# Altium PCB Main Board_V15.PcbDoc (part 1 of 5)
Units mm, origin at the board's own origin, x right, y up, seen from the top; angles counter-clockwise.
Board outline 180 x 140 mm, 2 copper layers (Top Layer, Bottom Layer); 280 components, 221 nets, 891 pads, 235 vias.
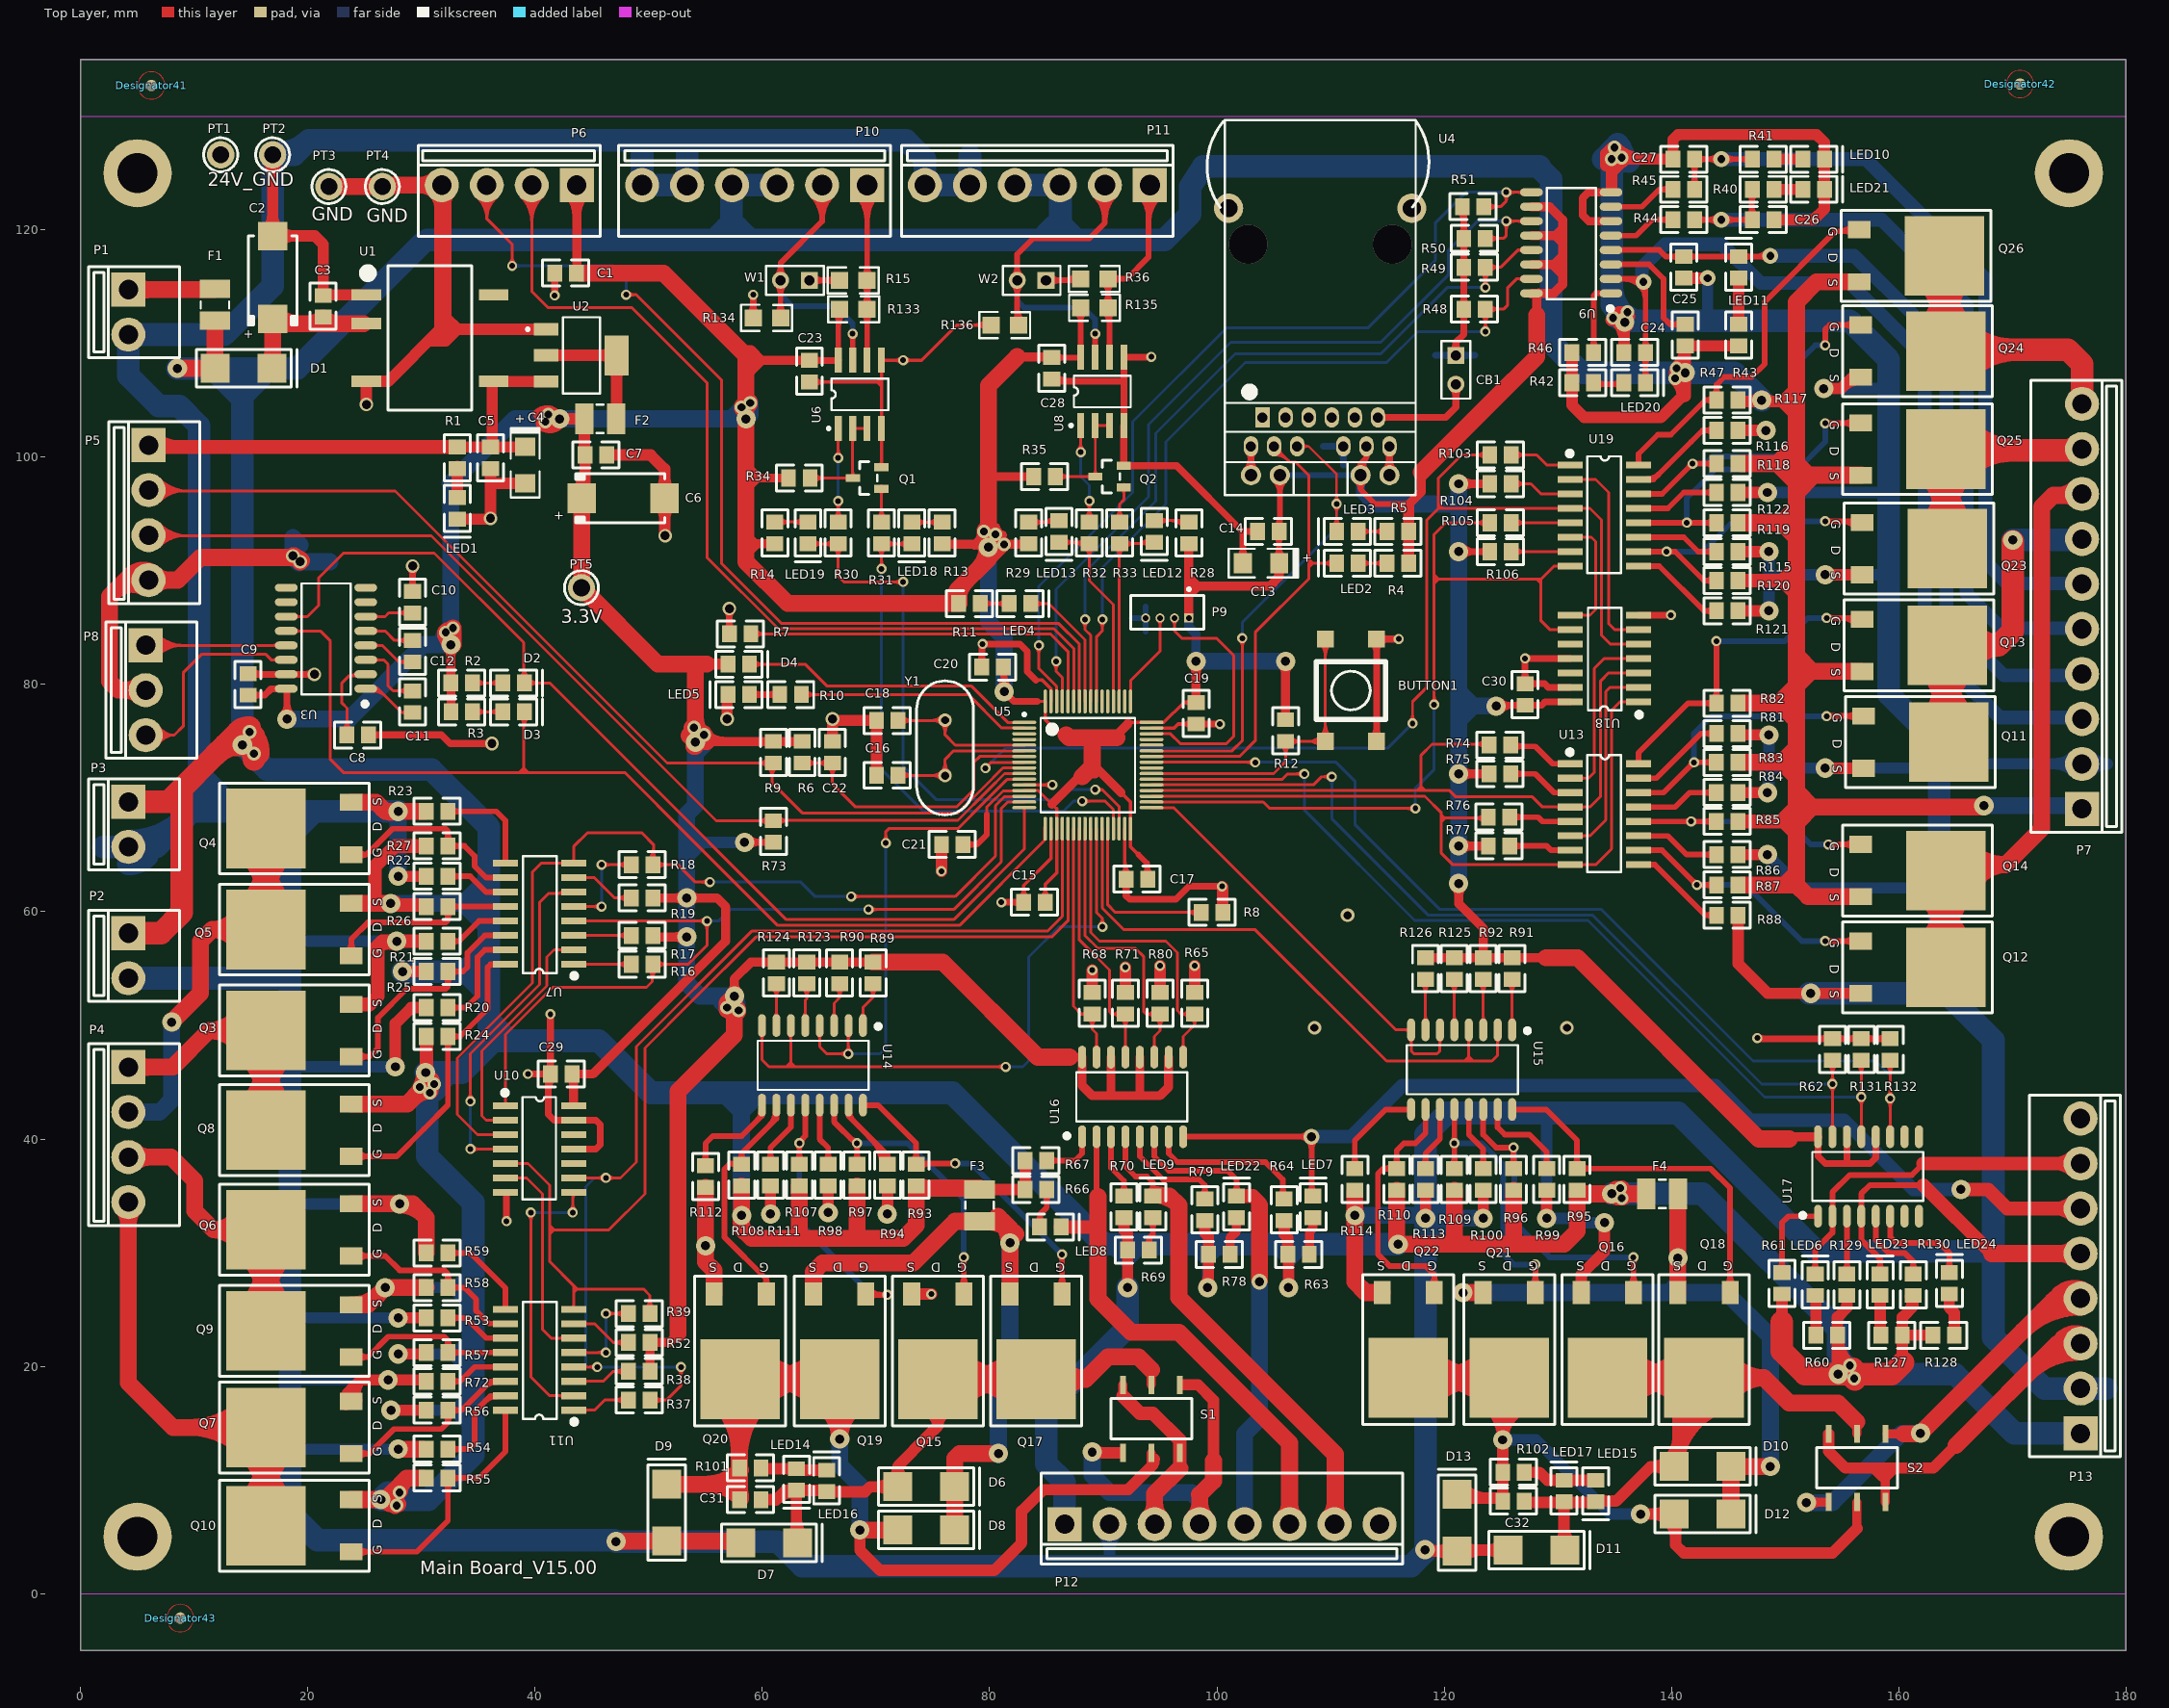
[diagram p0: Top Layer view]
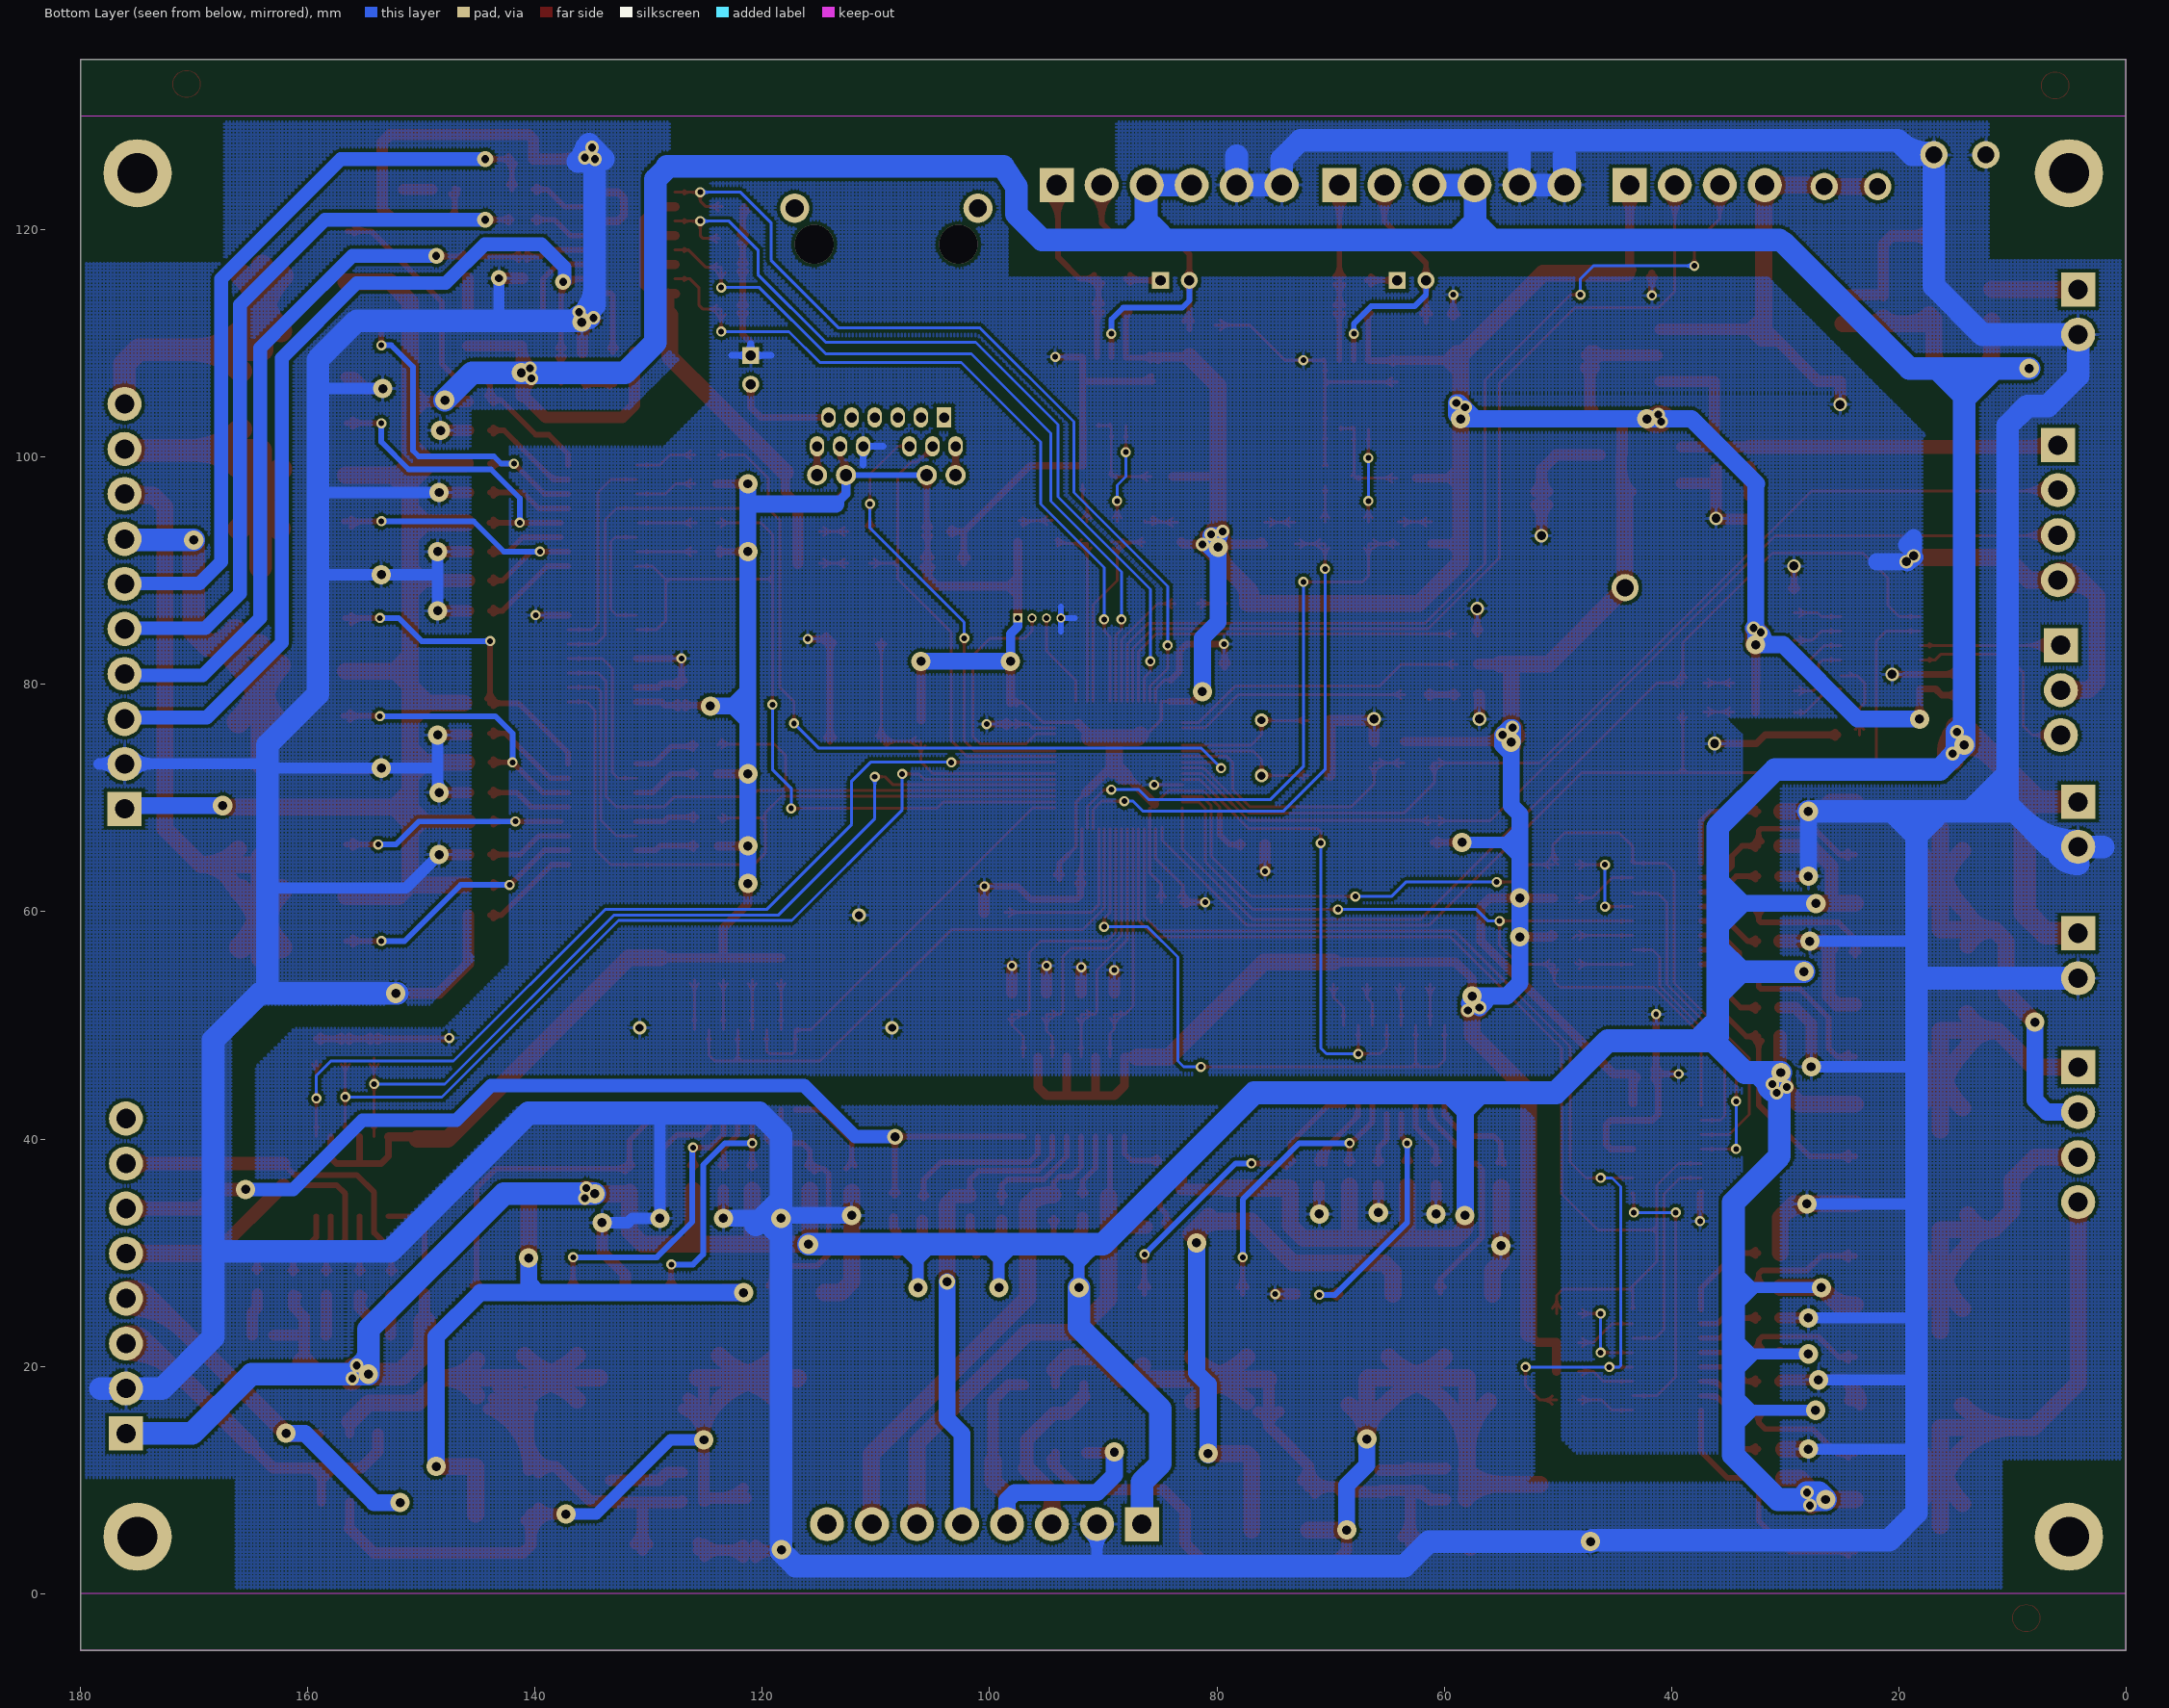
[diagram p1: Bottom Layer view, seen from below]

## Layer stack, top to bottom
Top Solder: solder mask 0.0102, Solder Resist, Dk 3.5
Top Layer: signal copper 0.0356
Dielectric1: dielectric 0.32, FR-4, Dk 4.8
Bottom Layer: signal copper 0.0356
Bottom Solder: solder mask 0.0102, Solder Resist, Dk 3.5

## Board outline
0,-5 0,135 180,135 180,-5

## Design rules (kind name [scope] priority, off if disabled: settings)
Clearance [All] p1: gap=0.3
PolygonConnect [All] p1: connectstyle=Relief reliefconductorwidth=0.254 reliefentries=4 polygonreliefangle="90 Angle" airgapwidth=0.254
RoutingVias [All] p1: holewidth=0.711 width=1.27 viastyle="Through Hole" minholewidth=0.711 minwidth=1.27 maxholewidth=0.711 maxwidth=1.27
SolderMaskExpansion [All] p1: expansion=0.102
Width [All] p1: maxlimit=2 minlimit=0.12 preferedwidth=0.254
29 further rules are at their usual default settings.

## Components (designator, comment, footprint, x,y, rotation, side; value= is the part's Value field where it differs from the comment)
BUTTON1 "SW4" BUTTON 111.76,79.502 r270 top
C1 "Cap" 0805#1 42.672,116.205 r0 top
C2 "Cap Pol3" "CAP D-7343" 16.891,115.824 r90 top
C3 "Cap" 0805#1 21.336,113.284 r90 top
C4 "Cap Pol3" "CAP A-3216" 39.116,99.314 r270 top
C5 "Cap" 0805#1 36.068,99.949 r90 top
C6 "Cap Pol3" "CAP D-7343" 47.752,96.393 r0 top
C7 "Cap" 0805#1 45.339,100.203 r180 top
C8 "Cap" 0805#1 24.384,75.565 r180 top
C9 "Cap" 0805#1 14.732,80.01 r270 top
C10 "Cap" 0805#1 29.21,87.249 r270 top
C11 "Cap" 0805#1 29.21,78.486 r90 top
C12 "Cap" 0805#1 29.21,82.931 r270 top
C13 "Cap Pol3" "CAP A-3216" 103.886,90.678 r180 top
C14 "Cap" 0805#1 104.521,93.472 r0 top
C15 "Cap" 0805#1 83.947,60.833 r0 top
C16 "" 0805#1 70.993,72.009 r0 top
C17 "Cap" 0805#1 92.964,62.865 r0 top
C18 "" 0805#1 70.993,76.835 r0 top
C19 "Cap" 0805#1 98.171,77.47 r90 top
C20 "Cap" 0805#1 80.264,81.534 r0 top
C21 "Cap" 0805#1 76.708,65.913 r0 top
C22 "Cap" 0805#1 66.167,74.041 r270 top
C23 "Cap" 0805#1 64.135,107.569 r270 top
C24 "Cap" 0805#1 136.779,109.22 r0 top
C25 "Cap" 0805#1 141.097,116.713 r90 top
C26 "Cap" 0805#1 148.082,120.904 r180 top
C27 "Cap" 0805#1 141.097,126.238 r0 top
C28 "Cap" 0805#1 85.471,107.823 r270 top
C29 "Cap" 0805#1 42.291,45.72 r0 top
C30 "Cap" 0805#1 127.127,79.121 r270 top
C31 "Cap" 0805#1 58.928,8.255 r0 top
C32 "Cap" 0805#1 126.111,8.128 r0 top
CB1 "Circuit Breaker" HDR1X2 121.031,108.966 r270 top
D1 "1N5819(SS14)" SMA 14.351,107.823 r0 top
D2 "RS232_TXD" LED-0805 38.1,80.137 r0 top
D3 "RS232_RXD" LED-0805 38.1,77.597 r0 top
D4 "Diode 1N4148" LED-0805 57.912,81.788 r0 top
D6 "SS54" SMA 74.422,9.398 r0 top
D7 "SS54" SMA 60.579,4.445 r0 top
D8 "SS54" SMA 74.422,5.588 r0 top
D9 "SS54" SMA 51.562,7.112 r90 top
D10 "SS54" SMA 142.748,11.176 r0 top
D11 "SS54" SMA 128.143,3.81 r0 top
D12 "SS54" SMA 142.748,6.985 r0 top
D13 "SS54" SMA 121.158,6.223 r90 top
Designator41 "Comment" Mark 6.223,132.715 r0 top
Designator42 "Comment" Mark 170.688,132.842 r0 top
Designator43 "Comment" Mark 8.763,-2.159 r0 top
F1 "Fuse 3A" 3225[1210] 11.811,113.411 r270 top
F2 "Fuse 1A" 3225[1210] 45.72,103.378 r180 top
F3 "Fuse 3A" 3225[1210] 79.121,34.163 r90 top
F4 "Fuse 3A" 3225[1210] 139.192,35.179 r180 top
LED1 "LED" LED-0805 33.147,95.504 r270 top
LED2 "TXD" LED-0805 111.492,90.678 r180 top
LED3 "RXD" LED-0805 111.492,93.472 r180 top
LED4 "TEST" LED-0805 82.677,87.122 r0 top
LED5 "WORKING" LED-0805 57.912,79.121 r180 top
LED6 "LED" LED-0805 152.654,27.178 r90 top
LED7 "LED" LED-0805 108.458,34.036 r90 top
LED8 "LED" LED-0805 85.344,32.258 r0 top
LED9 "LED" LED-0805 94.361,34.036 r90 top
LED10 "LED" LED-0805 152.527,126.238 r0 top
LED11 "LED" LED-0805 145.923,116.713 r90 top
LED12 "RS485_TXD" LED-0805 94.488,93.472 r270 top
LED13 "RS485_RXD" LED-0805 86.106,93.472 r270 top
LED14 "LED" LED-0805 62.992,10.033 r270 top
LED15 "LED" LED-0805 133.35,9.017 r270 top
LED16 "LED" LED-0805 65.659,9.906 r90 top
LED17 "LED" LED-0805 130.556,9.017 r90 top
LED18 "RS485_TXD" LED-0805 73.152,93.331 r270 top
LED19 "RS485_RXD" LED-0805 64.008,93.345 r270 top
LED20 "LED" LED-0805 136.779,106.553 r0 top
LED21 "LED" LED-0805 152.527,123.571 r0 top
LED22 "LED" LED-0805 101.727,34.036 r90 top
LED23 "LED" LED-0805 158.369,27.178 r90 top
LED24 "LED" LED-0805 164.465,27.305 r90 top
P1 "POWER" "VH3.96  2PIN" 4.191,112.776 r270 top
P2 "电动滚筒1驱动卡电源" "VH3.96  2PIN" 4.191,56.134 r270 top
P3 "电动滚筒2驱动卡电源" "VH3.96  2PIN" 4.191,67.691 r270 top
P4 "电动滚筒控制端口" "VH3.96  4PIN" 4.191,40.386 r270 top
P5 "接温湿度传感器" "VH3.96  4PIN" 5.969,95.123 r270 top
P6 "接温湿度传感器" "VH3.96  4PIN" 37.719,123.952 r180 top
P7 "信号输入输出端口" "VH3.96  10PIN" 176.149,86.868 r90 top
P8 "RS232" "VH3.96  3PIN" 5.715,79.502 r270 top
P9 "Header 4" PIN4-1.27 95.631,85.852 r180 top
P10 "接1柜组水平板端口" "VH3.96  6PIN" 59.309,123.952 r180 top
P11 "接2柜组水平板端口" "VH3.96  6PIN" 84.201,123.952 r180 top
P12 "Header 8" "VH3.96  8PIN" 100.457,6.096 r0 top
P13 "Header 8" "VH3.96  8PIN" 176.022,27.94 r90 top
PT1 "24V0" PLUG 12.319,126.619 r0 top
PT2 "24V0" PLUG 16.891,126.619 r0 top
PT3 "GND" PLUG 21.844,123.825 r0 top
PT4 "GND" PLUG 26.543,123.825 r0 top
PT5 "24V0" PLUG 44.069,88.519 r0 top (schematic designator PT1)
Q1 "S8050" SOT-23(SOT-23-3) 69.215,98.171 r0 top
Q2 "S8050" SOT-23(SOT-23-3) 90.551,98.298 r0 top
Q3 "FR4105 (NMOS-2)" TO-252 20.066,49.544 r90 top
Q4 "FR4105 (NMOS-2)" TO-252 20.066,67.324 r90 top
Q5 "PMOS-FR5305" TO-252 20.066,58.434 r90 top
Q6 "FR4105 (NMOS-2)" TO-252 20.066,32.004 r90 top
Q7 "FR4105 (NMOS-2)" TO-252 20.066,14.605 r90 top
Q8 "PMOS-FR5305" TO-252 20.066,40.781 r90 top
Q9 "PMOS-FR5305" TO-252 20.066,23.114 r90 top
Q10 "PMOS-FR5305" TO-252 20.066,5.969 r90 top
Q11 "FR4105 (NMOS-2)" TO-252 160.655,74.93 r270 top
Q12 "FR4105 (NMOS-2)" TO-252 160.401,55.118 r270 top
Q13 "PMOS-FR5305" TO-252 160.528,83.439 r270 top
Q14 "PMOS-FR5305" TO-252 160.401,63.627 r270 top
Q15 "FR4105 (NMOS-2)" TO-252 75.438,22.606 r180 top
Q16 "FR4105 (NMOS-2)" TO-252 134.366,22.733 r180 top
Q17 "FR5305 (PMOS-2)" TO-252 84.074,22.606 r180 top
Q18 "FR5305 (PMOS-2)" TO-252 142.875,22.733 r180 top
Q19 "FR5305 (PMOS-2)" TO-252 66.802,22.606 r180 top
Q20 "FR4105 (NMOS-2)" TO-252 58.039,22.606 r180 top
Q21 "FR5305 (PMOS-2)" TO-252 125.73,22.733 r180 top
Q22 "FR4105 (NMOS-2)" TO-252 116.84,22.733 r180 top
Q23 "FR4105 (NMOS-2)" TO-252 160.528,91.948 r270 top
Q24 "FR4105 (NMOS-2)" TO-252 160.401,109.347 r270 top
Q25 "PMOS-FR5305" TO-252 160.401,100.711 r270 top
Q26 "PMOS-FR5305" TO-252 160.274,117.729 r270 top
R1 "Res2" 0805#1 33.147,99.949 r270 top
R2 "Res2" 0805#1 33.528,80.137 r180 top
R3 "Res2" 0805#1 33.542,77.597 r180 top
R4 "Res2" 0805#1 115.937,90.678 r0 top
R5 "Res2" 0805#1 115.937,93.472 r0 top
R6 "Res2" 0805#1 63.5,74.041 r270 top
R7 "Res2" 0805#1 58.039,84.455 r0 top
R8 "Res2" 0805#1 99.568,59.944 r180 top
R9 "Res2" 0805#1 60.96,74.041 r270 top
R10 "Res2" 0805#1 62.484,79.121 r0 top
R11 "Res2" 0805#1 78.232,87.122 r0 top
R12 "Res2" 0805#1 106.045,75.946 r270 top
R13 "Res2" 0805#1 75.819,93.331 r270 top
R14 "Res2" 0805#1 61.087,93.345 r270 top
R15 "" 0805#2 66.802,115.57 r0 top (schematic designator R133)
R16 "Res2" 0805#1 49.403,55.372 r0 top
R17 "Res2" 0805#1 49.403,57.912 r180 top
R18 "Res2" 0805#1 49.403,64.135 r180 top
R19 "Res2" 0805#1 49.403,61.214 r180 top
R20 "Res2" 0805#1 31.369,51.562 r0 top
R21 "Res2" 0805#1 31.369,57.404 r180 top
R22 "Res2" 0805#1 31.369,63.119 r180 top
R23 "Res2" 0805#1 31.369,68.834 r180 top
R24 "Res2" 0805#1 31.369,49.022 r180 top
R25 "Res2" 0805#1 31.369,54.737 r180 top
R26 "Res2" 0805#1 31.369,60.452 r180 top
R27 "Res2" 0805#1 31.369,65.786 r180 top
R28 "Res2" 0805#1 97.536,93.331 r270 top
R29 "Res2" 0805#1 83.439,93.331 r270 top
R30 "Res2" 0805#1 66.675,93.331 r270 top
R31 "Res2" 0805#1 70.485,93.331 r270 top
R32 "Res2" 0805#1 88.773,93.345 r270 top
R33 "Res2" 0805#1 91.44,93.345 r270 top
R34 "Res2" 0805#1 63.246,98.171 r0 top
R35 "Res2" 0805#1 84.836,98.298 r0 top
R36 "" 0805#2 88.011,115.697 r0 top (schematic designator R135)
R37 "" 0805#1 49.149,17.018 r180 top
R38 "" 0805#1 49.149,19.558 r180 top
R39 "Res2" 0805#1 49.149,24.638 r0 top
R40 "Res2" 0805#1 148.082,123.571 r0 top
R41 "Res2" 0805#1 148.082,126.238 r0 top
R42 "Res2" 0805#1 132.207,106.553 r0 top
R43 "Res2" 0805#1 145.923,110.744 r90 top
R44 "Res2" 0805#1 141.097,120.904 r0 top
R45 "Res2" 0805#1 141.097,123.571 r0 top
R46 "Res2" 0805#1 132.207,109.22 r0 top
R47 "Res2" 0805#1 141.224,110.744 r90 top
R48 "Res2" 0805#1 122.682,113.03 r0 top
R49 "Res2" 0805#1 122.682,116.713 r0 top
R50 "Res2" 0805#1 122.682,119.253 r0 top
R51 "Res2" 0805#1 122.555,122.047 r0 top
R52 "Res2" 0805#1 49.149,22.098 r180 top
R53 "Res2" 0805#1 31.369,24.257 r0 top
R54 "" 0805#1 31.369,12.7 r0 top
R55 "" 0805#1 31.369,10.16 r180 top
R56 "" 0805#1 31.369,16.129 r180 top
R57 "Res2" 0805#1 31.369,21.209 r180 top
R58 "Res2" 0805#1 31.369,26.924 r180 top
R59 "Res2" 0805#1 31.369,29.972 r180 top
R60 "Res2" 0805#1 153.67,22.733 r180 top
R61 "Res2" 0805#1 149.733,27.305 r90 top
R62 "Res2" 0805#1 154.178,47.879 r270 top
R63 "Res2" 0805#1 107.188,29.845 r0 top
R64 "Res2" 0805#1 105.918,33.782 r90 top
R65 "Res2" 0805#1 98.044,51.943 r270 top
R66 "Res2" 0805#1 84.074,35.56 r0 top
R67 "Res2" 0805#1 84.074,38.1 r0 top
R68 "Res2" 0805#1 89.027,51.943 r270 top
R69 "Res2" 0805#1 93.091,30.226 r0 top
R70 "Res2" 0805#1 91.821,34.036 r90 top
R71 "Res2" 0805#1 91.948,51.943 r270 top
R72 "" 0805#1 31.369,18.669 r0 top
R73 "Res2" 0805#1 60.96,67.056 r90 top
R74 "Res2" 0805#1 124.902,74.676 r180 top
R75 "Res2" 0805#1 124.902,72.136 r0 top
R76 "Res2" 0805#1 124.841,68.326 r0 top
R77 "Res2" 0805#1 124.841,65.786 r0 top
R78 "Res2" 0805#1 100.203,29.845 r180 top
R79 "Res2" 0805#1 98.933,33.782 r90 top
R80 "Res2" 0805#1 94.996,51.943 r270 top
R81 "Res2" 0805#1 144.921,75.692 r180 top
R82 "Res2" 0805#1 144.921,78.359 r0 top
R83 "Res2" 0805#1 144.907,73.152 r0 top
R84 "Res2" 0805#1 144.907,70.485 r0 top
R85 "Res2" 0805#1 144.907,67.945 r0 top
R86 "Res2" 0805#1 144.921,65.024 r0 top
R87 "Res2" 0805#1 144.921,62.357 r0 top
R88 "Res2" 0805#1 144.921,59.69 r0 top
R89 "Res2" 0805#1 69.737,54.61 r270 top
R90 "Res2" 0805#1 66.802,54.61 r270 top
R91 "Res2" 0805#1 125.984,54.991 r270 top
R92 "Res2" 0805#1 123.444,54.991 r90 top
R93 "Res2" 0805#1 73.533,36.83 r270 top
R94 "Res2" 0805#1 71.007,36.83 r90 top
R95 "Res2" 0805#1 131.699,36.449 r270 top
R96 "Res2" 0805#1 126.111,36.449 r270 top
R97 "Res2" 0805#1 68.326,36.83 r270 top
R98 "Res2" 0805#1 65.786,36.83 r90 top
R99 "Res2" 0805#1 129.032,36.449 r90 top
R100 "Res2" 0805#1 123.444,36.449 r90 top
R101 "Res2" 0805#1 58.928,11.049 r0 top
R102 "Res2" 0805#1 126.111,10.668 r0 top
R103 "" 0805#1 124.968,100.203 r0 top
R104 "" 0805#1 124.968,97.663 r0 top
R105 "Res2" 0805#1 124.968,94.234 r180 top
R106 "Res2" 0805#1 124.968,91.694 r0 top
R107 "Res2" 0805#1 63.246,36.83 r270 top
R108 "Res2" 0805#1 58.166,36.83 r270 top
R109 "Res2" 0805#1 120.904,36.449 r270 top
R110 "Res2" 0805#1 115.824,36.449 r270 top
R111 "Res2" 0805#1 60.706,36.83 r90 top
R112 "Res2" 0805#1 54.991,36.703 r90 top
R113 "Res2" 0805#1 118.364,36.449 r90 top
R114 "Res2" 0805#1 112.141,36.449 r90 top
R115 "Res2" 0805#1 144.921,91.694 r180 top
R116 "" 0805#1 144.921,102.362 r180 top
R117 "" 0805#1 144.921,105.029 r0 top
R118 "" 0805#1 144.921,99.441 r0 top
R119 "Res2" 0805#1 144.921,94.234 r0 top
R120 "Res2" 0805#1 144.921,89.154 r0 top
R121 "Res2" 0805#1 144.921,86.487 r0 top
R122 "" 0805#1 144.921,96.901 r180 top
R123 "Res2" 0805#1 63.895,54.61 r90 top
R124 "Res2" 0805#1 61.228,54.61 r90 top
R125 "Res2" 0805#1 120.904,54.991 r270 top
R126 "Res2" 0805#1 118.364,54.991 r90 top
R127 "Res2" 0805#1 159.385,22.733 r0 top
R128 "Res2" 0805#1 163.957,22.733 r180 top
R129 "Res2" 0805#1 155.448,27.178 r90 top
R130 "Res2" 0805#1 161.29,27.178 r90 top
R131 "Res2" 0805#1 156.718,47.879 r270 top
R132 "Res2" 0805#1 159.258,47.879 r270 top
R133 "" 0805#2 69.215,113.016 r180 top
R134 "" 0805#2 59.182,112.268 r0 top
R135 "" 0805#2 90.424,113.157 r180 top
R136 "" 0805#2 80.137,111.633 r0 top
S1 "SW DPDT" SOP6_2.5 94.234,15.367 r0 top
S2 "SW DPDT" SOP6_2.5 156.337,11.049 r0 top
U1 "B2405XT-2WR2" B2405XT-2WR2 30.734,110.49 r270 top
U2 "AMS1117-3.3" SOT223 44.069,108.966 r270 top
U3 "MAX3232CSE" SOP16 21.59,84.074 r90 top
U4 "USR-K" USR-K 109.093,113.665 r90 top
U5 "STM32F103RCT6" LQFP64_M 88.646,72.912 r0 top locked
U6 "MAX3485" AT24C512 68.58,105.537 r90 top
U7 "TLP280" SO16 40.386,59.817 r180 top
U8 "MAX3485" AT24C512 89.916,105.791 r90 top
U9 "TLP280-4" SOP16 131.191,118.872 r90 top
U10 "74HC14D" SO14 40.386,39.116 r0 top
U11 "TLP280" SO16 40.386,20.574 r180 top
U13 "TLP280" SO16 134.112,68.58 r0 top
U14 "TLP280-4" SOP16 64.403,46.482 r180 top
U15 "TLP280-4" SOP16 121.539,46.101 r180 top
U16 "TLP280-4" SOP16 92.583,43.702 r0 top
U17 "TLP280-4" SOP16 157.353,36.703 r0 top
U18 "74HC14D" SO14 134.112,82.296 r180 top
U19 "TLP280" SO16 134.112,94.869 r0 top
W1 "Jumper" HDR1X2 64.135,115.57 r180 top
W2 "Jumper" HDR1X2 84.963,115.57 r180 top
Y1 "8M" XTAL 76.073,74.422 r270 top

## Footprints (in the part's own frame and the unit in brackets; to place one, negate y for a bottom-side part, rotate by r counter-clockwise, add the part's x,y. Pads: shape width x height; smd on the part's side, far side on the other; paste and mask are expansions set on the pad)
0805#1 [mm]
  rect 1.3x1.5 smd: 1(-0.95,0) 2(0.95,0)
  silkscreen extent -2.03,-1.14 2.03,1.14
0805#2 [mm]
  rect 1.524x1.5 smd: 1(0,0) 2(2.413,0)
  silkscreen extent -1.05,-1.16 3.43,1.15
3225[1210] [mm]
  rect 1.6x2.7 smd: 1(-1.4,0) 2(1.4,0)
  silkscreen extent -0.3,-1.25 0.3,1.25
AT24C512 [mm]
  rect 2.2x0.6 smd: 1(-3,1.905) 2(-3,0.635) 3(-3,-0.635) 4(-3,-1.905) 5(3,-1.905) 6(3,-0.635) 7(3,0.635) 8(3,1.905)
  silkscreen extent -3.12,-2.5 1.4,2.88
B2405XT-2WR2 [mm]
  rect 1x2.6 smd: 1(-3.81,-5.6) 2(-1.27,-5.6) 4(3.81,-5.6) 5(3.81,5.6) 8(-3.81,5.6)
  silkscreen extent -6.35,-5.74 6.35,3.68
BUTTON [mm]
  rect 1.5x1.5 smd: 1(4.5,-2.211) 2(-4.5,-2.211) 3(4.5,2.289) 4(-4.5,2.289)
  silkscreen extent -2.5,-3.01 2.58,3.09
"CAP A-3216" [mm]
  rect 1.6x1.8 smd: 1(-1.6,0) 2(1.6,0)
  silkscreen extent -3.25,-1.27 2.85,1.27
"CAP D-7343" [mm]
  rect 2.5x2.6 smd: 1(-3.65,0) 2(3.65,0)
  silkscreen extent -4.19,-2.15 3.65,2.15
HDR1X2 [mm] "Connector; Header; 2 Position"
  rect 1.5x1.5 hole 0.9: 1(0,0)
  round 1.5 hole 0.9: 2(2.54,0)
  silkscreen extent -1.27,-1.27 3.81,1.27
LED-0805 [mm]
  rect 1.3x1.5 smd: 1(-0.95,0) 2(0.95,0)
  silkscreen extent -2.03,-1.14 2.54,1.14
LQFP64_M [mm]
  oval 2.1x0.3 smd: 1(-5.6,3.75) 2(-5.6,3.25) 3(-5.6,2.75) 4(-5.6,2.25) 5(-5.6,1.75) 6(-5.6,1.25) 7(-5.6,0.75) 8(-5.6,0.25) 9(-5.6,-0.25) 10(-5.6,-0.75) 11(-5.6,-1.25) 12(-5.6,-1.75) 13(-5.6,-2.25) 14(-5.6,-2.75) 15(-5.6,-3.25) 16(-5.6,-3.75) 33(5.6,-3.75) 34(5.6,-3.25) 35(5.6,-2.75) 36(5.6,-2.25) 37(5.6,-1.75) 38(5.6,-1.25) 39(5.6,-0.75) 40(5.6,-0.25) 41(5.6,0.25) 42(5.6,0.75) 43(5.6,1.25) 44(5.6,1.75) 45(5.6,2.25) 46(5.6,2.75) 47(5.6,3.25) 48(5.6,3.75)
  oval 0.3x2.1 smd: 17(-3.75,-5.6) 18(-3.25,-5.6) 19(-2.75,-5.6) 20(-2.25,-5.6) 21(-1.75,-5.6) 22(-1.25,-5.6) 23(-0.75,-5.6) 24(-0.25,-5.6) 25(0.25,-5.6) 26(0.75,-5.6) 27(1.25,-5.6) 28(1.75,-5.6) 29(2.25,-5.6) 30(2.75,-5.6) 31(3.25,-5.6) 32(3.75,-5.6) 49(3.75,5.6) 50(3.25,5.6) 51(2.75,5.6) 52(2.25,5.6) 53(1.75,5.6) 54(1.25,5.6) 55(0.75,5.6) 56(0.25,5.6) 57(-0.25,5.6) 58(-0.75,5.6) 59(-1.25,5.6) 60(-1.75,5.6) 61(-2.25,5.6) 62(-2.75,5.6) 63(-3.25,5.6) 64(-3.75,5.6)
  silkscreen extent -5.72,-4.15 4.15,4.57, body extent -5,-5 5,5, height 1.6
Mark [mm]
  round 2 on Top Solder: 0(0,0)
  round 1 smd: 1(0,0)
  Top Layer circle w0.1: c0,0 r1.2
PIN4-1.27 [mm]
  rect 0.8x0.8 hole 0.5: 1(-1.905,0)
  round 0.8 hole 0.5: 2(-0.635,0) 3(0.635,0) 4(1.905,0)
  silkscreen extent -3.23,-2.66 3.23,1
PLUG [mm]
  round 2.4 hole 1.5: 1(0,0)
  silkscreen extent -1.5,-1.5 1.5,1.5
SMA [mm] "wide = 5.0mm"
  rect 2.54x2.54 smd: 1(-2.5,0) 2(2.5,0)
  silkscreen extent -4.19,-1.65 4.7,1.65
SO14 [mm] "Wide = 6mm"
  rect 2.2x0.6 smd: 1(-3,3.81) 2(-3,2.54) 3(-3,1.27) 4(-3,0) 5(-3,-1.27) 6(-3,-2.54) 7(-3,-3.81) 8(3,-3.81) 9(3,-2.54) 10(3,-1.27) 11(3,0) 12(3,1.27) 13(3,2.54) 14(3,3.81)
  silkscreen extent -3.23,-4.44 1.45,5.13
SO16 [mm] "Wide = 6mm"
  rect 2.2x0.6 smd: 1(-3,4.445) 2(-3,3.175) 3(-3,1.905) 4(-3,0.635) 5(-3,-0.635) 6(-3,-1.905) 7(-3,-3.175) 8(-3,-4.445) 9(3,-4.445) 10(3,-3.175) 11(3,-1.905) 12(3,-0.635) 13(3,0.635) 14(3,1.905) 15(3,3.175) 16(3,4.445)
  silkscreen extent -3.23,-5.08 1.45,5.64
SOP6_2.5 [mm]
  rect 0.5x1.6 smd: 1(-2.5,3) 2(0,3) 3(2.5,3) 4(-2.5,-3) 5(0,-3) 6(2.5,-3)
  silkscreen extent -3.56,-1.78 3.56,1.78
SOP16 [mm] "wide = 7mm"
  oval 0.7x2 smd: 1(-4.445,-3.5) 2(-3.175,-3.5) 3(-1.905,-3.5) 4(-0.635,-3.5) 5(0.635,-3.5) 6(1.905,-3.5) 7(3.175,-3.5) 8(4.445,-3.5) 9(4.445,3.5) 10(3.175,3.5) 11(1.905,3.5) 12(0.635,3.5) 13(-0.635,3.5) 14(-1.905,3.5) 15(-3.175,3.5) 16(-4.445,3.5)
  silkscreen extent -5.99,-3.63 4.82,2.16
SOT223 [mm]
  rect 1.1x2.15 smd: 1(-2.3,-3.1) 2(0,-3.1) 3(2.3,-3.1)
  rect 3.5x2.15 smd: 4(0,3.1)
  silkscreen extent -3.35,-4.85 3.35,1.63
SOT-23(SOT-23-3) [mm]
  rect 1.25x0.7 smd: 1(1.25,-0.95) 2(1.25,0.95) 3(-1.25,0)
  silkscreen extent -0.65,-1.46 0.9,1.46, body extent -1.5,-1.5 1.5,1.5, height 1.3
TO-252 [mm] "P-Channel Power MOSFET"
  rect 1.5x2 smd: 1(-2.3,-3.75) 3(2.3,-3.75)
  rect 7x7 smd: 2(0,3.75)
  silkscreen extent -4,-5.32 4,7.87
USR-K [mil]
  rect 70x50 hole 35 mask+2: 1(-400,200)
  oval 70x50 hole 35 mask+2: 2(-400,120) 3(-400,40) 4(-400,-40) 5(-400,-120) 6(-400,-200) 7(-500,240) 8(-500,160) 9(-500,80) 10(-500,-80) 11(-500,-160) 12(-500,-240)
  round 70 hole 43 mask+2: 13(-600,240) 14(-600,140) 15(-600,-140) 16(-600,-240)
  round 101.18 hole 61.81 mask+2: 17(325,-317.5) 17(325,317.5)
  silkscreen extent -670,-377 630,392
"VH3.96  2PIN" [mm]
  rect 3x3 hole 1.7: 1(-1.98,0)
  round 3 hole 1.7: 2(1.98,0)
  silkscreen extent -4,-3.5 4,4.5
"VH3.96  3PIN" [mm]
  rect 3x3 hole 1.7: 1(-3.96,0)
  round 3 hole 1.7: 2(0,0) 3(3.96,0)
  silkscreen extent -6.02,-3.5 5.97,4.5
"VH3.96  4PIN" [mm]
  rect 3x3 hole 1.7: 1(-5.94,0)
  round 3 hole 1.7: 2(-1.98,0) 3(1.98,0) 4(5.94,0)
  silkscreen extent -8,-3.5 8,4.5
"VH3.96  6PIN" [mm]
  rect 3x3 hole 1.8: 1(-9.9,0)
  round 3 hole 1.8: 2(-5.94,0) 3(-1.98,0) 4(1.98,0) 5(5.94,0) 6(9.9,0)
  silkscreen extent -11.96,-3.5 11.96,4.5
"VH3.96  8PIN" [mm]
  rect 3x3 hole 1.7: 1(-13.86,0)
  round 3 hole 1.7: 2(-9.9,0) 3(-5.94,0) 4(-1.98,0) 5(1.98,0) 6(5.94,0) 7(9.9,0) 8(13.86,0)
  silkscreen extent -15.92,-3.5 15.9,4.5
"VH3.96  10PIN" [mm]
  rect 3x3 hole 1.7: 1(-17.82,0)
  round 3 hole 1.7: 2(-13.86,0) 3(-9.9,0) 4(-5.94,0) 5(-1.98,0) 6(1.98,0) 7(5.94,0) 8(9.9,0) 9(13.86,0) 10(17.82,0)
  silkscreen extent -19.88,-3.5 19.92,4.5
XTAL [mm]
  round 1.2 hole 0.711: 1(-2.44,0) 2(2.44,0)
  silkscreen extent -5.9,-2.5 5.9,2.5

## Part data
C1 C3 C5 C7 C8 C9 C10 C11 C12 C14 C15 C17 C19 C20 C21 C22 C23 C24 C25 C26 C27 C28 C29 C30 C31 C32: "Capacitor"
C2 C4 C6 C13: "Polarized Capacitor (Surface Mount)"
C16 C18: library part Cap, "Capacitor"
D1 D6 D7 D8 D9 D10 D11 D12 D13: library part "Diode 1N4148", "High Conductance Fast Diode"
D2 D3 LED2 LED3 LED4 LED6 LED7 LED8 LED9 LED10 LED11 LED12 LED13 LED14 LED15 LED16 LED17 LED18 LED19 LED20 LED21 LED22 LED23 LED24: library part LED2, "Typical RED, GREEN, YELLOW, AMBER GaAs LED"
D4: "High Conductance Fast Diode"
F1 F2 F3 F4: library part "Fuse 1", "Fuse"
LED5: library part LED
P1 P2 P3: library part "Header 2", "Header, 2-Pin"
P4 P5 P6: library part "Header 4", "Header, 4-Pin"
P7: library part "Header 10", "Header, 10-Pin"
P8: library part "Header 3", "Header, 3-Pin"
P9: "Header, 4-Pin"
P10 P11: library part "Header 6", "Header, 6-Pin"
P12 P13: "Header, 8-Pin"
PT1 PT2 PT3 PT4 PT5: library part Plug, "Plug"
Q1 Q2: library part "SOT-23 SS8050 Y1", "三极管"
Q3 Q4 Q6 Q7 Q11 Q12 Q15 Q16 Q20 Q22 Q23 Q24: library part NMOS-2, "N-Channel Power MOSFET"
Q5 Q8 Q9 Q10 Q13 Q14 Q17 Q18 Q19 Q21 Q25 Q26: library part PMOS-2, "P-Channel Power MOSFET"
R1 R2 R3 R4 R5 R6 R7 R8 R9 R10 R11 R12 R13 R14 R16 R17 R18 R19 R20 R21 R22 R23 R24 R25 R26 R27 R28 R29 R30 R31 R32 R33 R34 R35 R39 R40 R41 R42 R43 R44 R45 R46 R47 R48 R49 R50 R51 R52 R53 R57 R58 R59 R60 R61 R62 R63 R64 R65 R66 R67 R68 R69 R70 R71 R73 R74 R75 R76 R77 R78 R79 R80 R81 R82 R83 R84 R85 R86 R87 R88 R89 R90 R91 R92 R93 R94 R95 R96 R97 R98 R99 R100 R101 R102 R105 R106 R107 R108 R109 R110 R111 R112 R113 R114 R115 R119 R120 R121 R123 R124 R125 R126 R127 R128 R129 R130 R131 R132: "Resistor"
R15 R36 R37 R38 R54 R55 R56 R72 R103 R104 R116 R117 R118 R122 R133 R134 R135 R136: library part Res2, "Resistor"
S1 S2: "Switch"
U2: library part AMS1117-5
U3: "3.0V TO 5.5V, Low-Power, up to 1Mbps, True RS-232 Transceiver Using Four 0.1礔 External Capacitor"
U6 U8: library part MAX485CSA, "Low-Power, Slew-Rate-Limited RS-485/RS-422 Transceiver"
U7 U9 U11 U13 U14 U15 U16 U17 U19: library part TLP521-4
U10 U18: library part SN74HC14D, "Hex Schmitt-Trigger Inverter"
W1 W2: "Jumper Wire"
Y1: library part XTAL_1

## Free pads (board coordinates)
  round 6 hole 3.5: 1(5,5) 1(5,125) 1(175,5) 1(175,125)

## Via types
v1: diameter 0.889, hole 0.508, Top Layer to Bottom Layer, 97 vias
v2: diameter 1.7, hole 0.8, Top Layer to Bottom Layer, 84 vias
v3: diameter 1.2, hole 0.7, Top Layer to Bottom Layer, 34 vias
v4: diameter 1.2, hole 0.8, Top Layer to Bottom Layer, 11 vias
v5: diameter 1.4, hole 0.7, Top Layer to Bottom Layer, 5 vias
v6: diameter 1.4, hole 0.8, Top Layer to Bottom Layer, 2 vias
v7: diameter 3.4, hole 3.4, Top Layer to Bottom Layer, 2 vias

## Nets (pads, with @x,y where several pads share a name; then routed paths per layer and width w, separated by ;. In a path a pad name is that pad's centre, name@x,y a point inside that pad or via, vN(x,y) a via of type N, cw(c..) or ccw(c..) an arc to the next point about the centre after c; other vN are vias at no path point)
24V0: C2.2 C3.2 C24.1 C25.1 C26.1 C27.1 D7.1 D9.1 D11.1 D13.1 LED10.2 LED21.2 P1.2 P2.2 P3.2 P7.2 P10.5 P10.6 P11.5 P11.6 P12.2 P13.2 PT1.1 PT2.1 Q3.3 Q4.3 Q6.3 Q7.3 Q11.3 Q12.3 Q15.3 Q16.3 Q20.3 Q22.3 Q23.3 Q24.3 R20.1 R21.2 R22.2 R23.2 R53.1 R54.1 R59.2 R72.1 R81.1 R84.2 R86.2 R88.2 R94.1 R98.1 R99.1 R100.1 R111.1 R112.1 R113.1 R114.1 R115.1 R116.1 R121.2 R122.1 U1.1 U9.6 U9.8 | length 1143.1
  Top Layer w0.5: R23.2@30.292,68.834 R23.2@30.419,68.707
  Top Layer w0.7: U9.6@134.691,120.777 132.715,120.777 132.207,121.285 132.207,122.809 132.715,123.317 U9.8@134.691,123.317
  Top Layer w1: C2.2@16.361,120.004 ccw(c15.08,121.285) 16.891,121.285 ccw(c18.702,121.285) C2.2@17.421,120.004 ; PT2.1@16.396,126.124 cw(c15.201,124.929) 16.891,124.929 cw(c18.581,124.929) PT2.1@17.386,126.124 ; PT2.1@16.891,126.619 C2.2@16.891,119.474 20.607,119.474 21.336,118.745 C3.2@21.336,114.234 ; C2.2@17.471,118.944 cw(c18.752,117.663) 18.752,119.474 cw(c18.752,121.285) C2.2@17.471,120.004 ; C3.2@21.971,114.3 U1.1@25.195,114.3 ; Q7.3@23.377,16.608 cw(c24.332,17.02) 23.597,17.755 ; Q7.3@23.816,16.905 23.816,17.974 24.638,18.796 ; Q6.3@23.816,34.304 Q6.3@23.83,34.29 ; Q7.3@24.296,17.004 cw(c25.786,17.648) 24.638,18.796 ; v2(27.686,46.355) 27.94,46.609 27.686,46.863 27.686,50.165 29.083,51.562 R20.1@30.419,51.562 ; v2(27.94,24.257) R53.1@30.419,24.257 ; v2(27.94,63.119) R22.2@30.419,63.119 ; R72.1@30.419,18.669 30.292,18.796 v2(27.051,18.796) 24.638,18.796 ; v2(47.117,4.572) v2@47.157,4.612 ; D7.1@57.912,4.612 D7.1@58.079,4.445 ; v2(60.706,33.401) R111.1@60.706,35.88 ; v2(65.786,33.528) R98.1@65.786,35.88 ; v2@70.746,33.648 ccw(c70.114,34.28) 71.007,34.28 ; v2(70.993,33.401) 71.007,33.415 R94.1@71.007,35.88 ; Q15.3@73.138,26.356 v1(74.863,26.356) ; v2@118.237,3.937 118.451,3.723 D13.1@121.158,3.723 ; v2(118.364,33.02) R113.1@118.364,35.499 ; v2@118.569,4.1 ccw(c119.479,5.009) 119.479,3.723 ; D13.1@120.614,3.179 ccw(c119.299,1.864) 119.299,3.723 ccw(c119.299,5.582) D13.1@120.614,4.267 ; D13.1@120.991,3.81 D11.1@125.643,3.81 ; D13.1@121.702,3.179 cw(c123.227,1.654) 123.227,3.81 ; D13.1@121.702,4.267 ccw(c122.807,5.372) 122.807,3.81 ; v2(123.444,33.02) R100.1@123.444,35.499 ; D11.1@125.099,3.266 ccw(c123.784,1.951) 123.784,3.81 ccw(c123.784,5.669) D11.1@125.099,4.354 ; D11.1@125.556,4.358 D11.1@125.643,4.445 ; v2(129.032,33.02) R99.1@129.032,35.499 ; Q16.3@132.066,26.483 132.066,28.053 134.112,30.099 v2(134.112,32.639) ; 134.239,125.663 cw(c136.039,125.663) v3@135.056,127.17 ; v3@134.239,126.338 cw(c135.056,126.338) v3@135.007,127.154 ; v3@134.365,126.618 ccw(c135.281,127.534) v3@135.281,126.238 ; 134.397,126.904 cw(c135.001,126.299) v3@135.001,127.154 ; v3@134.672,112.066 cw(c136.144,110.595) v2@136.144,112.676 ; U9.8@134.747,123.571 134.747,125.095 ; 134.747,124.815 cw(c136.356,124.815) v3@135.678,126.274 ; 134.747,125.349 134.239,125.857 134.239,126.746 ; v3@134.821,112.183 cw(c133.678,110.361) 135.829,110.361 ; v3@134.935,112.329 cw(c135.652,111.612) v2@136.316,112.378 ; v3@134.952,112.205 cw(c136.144,111.246) v3(136.144,112.776) ; v3@134.964,127.161 cw(c134.496,125.984) v3@135.763,125.984 ; v3@134.979,127.156 cw(c134.758,126.176) v3@135.763,126.176 ; v3@135.001,112.395 cw(c135.799,111.597) v2@136.116,112.68 ; v3@135.072,127.325 ccw(c137.695,129.948) 137.695,126.238 ; 135.196,125.544 ccw(c134.375,126.365) 135.536,126.365 ccw(c134.681,126.365) v3@135.286,126.969 ; C24.1@135.829,109.22 135.829,110.617 ; v2@135.829,111.252 136.144,111.567 v3(136.144,112.776) ; v2@135.829,111.774 cw(c137.146,111.774) 136.215,112.705 ccw(c137.143,111.775) v2@135.829,111.775 ; v2(135.89,111.887) 135.829,111.826 135.829,110.617 ; C25.1@141.097,115.763 v5(143.19,115.763) ; R84.2@145.857,70.485 v2(148.463,70.485) ; R88.2@145.871,59.69 145.871,55.424 148.477,52.818 v2(152.273,52.818) Q12.3@156.651,52.818 ; R86.2@145.871,65.024 v2(148.463,65.024) ; R121.2@145.871,86.487 v2(148.59,86.487) ; R115.1@145.871,91.694 v2(148.59,91.694) ; R122.1@145.871,96.901 v2(148.463,96.901) ; R116.1@145.871,102.362 v2(148.336,102.362) ; R81.1@145.998,75.565 v2(148.59,75.565) v2@148.463,75.692 ; C26.1@148.971,120.904 152.527,120.904 153.477,121.854 LED21.2@153.477,123.571 LED10.2@153.477,126.238 153.477,127.701 152.781,128.397 140.589,128.397 140.147,127.955 C27.1@140.147,126.238 v3(134.747,126.238) ; v2(153.416,106.045) 154.178,106.045 154.94,106.045 155.942,107.047 Q24.3@156.651,107.047 ; v2(153.543,72.644) 153.557,72.63 Q11.3@156.905,72.63 ; v2(153.543,89.662) 153.557,89.648 Q23.3@156.778,89.648 ; v2@153.79,72.891 ccw(c154.422,73.523) 154.422,72.63 ; v2@153.79,89.909 ccw(c154.422,90.541) 154.422,89.648 ; 155.191,106.296 cw(c156.401,105.085) Q24.3@156.401,106.797 ; 134.239,126.746 v3(134.747,126.238) ; 134.239,126.746 134.747,127.254 v3(135.001,127.254) 135.763,126.492 135.763,126.238 135.763,126.111 134.747,125.095 ; 134.747,125.095 v3(134.747,126.238) ; 135.829,110.617 135.829,111.313 v3(134.874,112.268) 135.382,112.776 v3(136.144,112.776) ; 135.829,110.895 cw(c136.882,110.895) v2@136.137,111.64 ; 135.829,110.895 cw(c136.882,110.895) v2@136.137,111.64 ; 135.829,110.895 cw(c136.882,110.895) v2@136.137,111.64 ; 135.829,110.895 cw(c136.882,110.895) v2@136.137,111.64 ; v3@134.747,126.399 cw(c135.856,126.399) 135.072,127.183 ccw(c135.856,126.399) v3@134.747,126.399
  Top Layer w1.2: Q3.3@23.816,51.844 25.428,51.844 26.162,52.578 26.162,57.023 26.543,57.404 v2(27.813,57.404) R21.2@30.419,57.404 ; 25.908,56.769 cw(c27.131,55.547) v2@27.727,57.169
  Top Layer w1.5: Q4.3@23.816,69.624 26.007,69.624 26.797,68.834 27.686,68.834 R23.2@30.292,68.834 ; Q6.3@23.83,34.29 v2(28.067,34.29) 29.215,34.29 30.419,33.086 R59.2@30.419,29.972 ; 26.579,69.052 ccw(c27.315,69.789) v2@27.885,68.918 ; v2(27.94,12.7) R54.1@30.099,12.7 ; v2@28.067,34.19 cw(c28.067,31.177) 30.197,33.308 ; v2@28.091,34.193 cw(c28.515,32.442) 29.789,33.716 ; v2@47.157,4.612 52.07,4.612 D7.1@57.912,4.612 ; R112.1@54.991,35.753 54.991,30.353 54.991,29.182 55.739,28.434 Q20.3@55.739,26.356 ; 56.42,4.612 cw(c56.42,2.786) D7.1@57.711,4.077 ; R114.1@112.141,35.306 112.141,27.432 113.09,26.483 Q22.3@114.54,26.483
  Bottom Layer w1: 18.415,12.573 18.542,12.7 v2(27.94,12.7) ; 18.415,18.542 18.669,18.796 v2(27.051,18.796) ; 18.415,24.257 v2(27.94,24.257) ; 18.415,34.29 v2(28.067,34.29) ; 18.415,46.355 v2(27.686,46.355) ; 18.415,57.15 18.669,57.404 v2(27.813,57.404) ; P12.2@89.85,5.389 cw(c88.143,3.682) 90.557,3.682 cw(c92.971,3.682) P12.2@91.264,5.389 ; P12.2@90.557,6.096 90.557,2.534 90.678,2.413 ; 128.778,42.291 129.032,42.037 v2(129.032,33.02) 131.445,33.02 131.826,32.639 v2(134.112,32.639) ; 142.748,112.014 143.19,112.456 v5(143.19,115.763) ; v2@148.216,70.732 ccw(c147.311,71.637) 148.59,71.637 ; v2(148.463,65.024) 151.384,62.103 163.576,62.103 ; v2(148.463,70.485) 148.59,70.612 v2(148.59,75.565) ; v2(148.463,96.901) 158.877,96.901 159.131,97.155 ; 148.59,72.644 v2(153.543,72.644) 163.068,72.644 163.576,72.136 ; v2(148.59,86.487) v2(148.59,91.694) ; 148.59,89.408 148.844,89.662 v2(153.543,89.662) 158.877,89.662 159.131,89.408 ; v2(153.416,106.045) 159.131,106.045 ; 158.891,107.047 159.131,106.807 ; 163.576,73.025 163.72,72.881 ; 163.72,73.025 P7.2@176.403,73.025 ; 173.694,73.025 cw(c173.694,70.553) P7.2@175.442,72.301 ; 173.776,73.025 ccw(c173.776,75.381) P7.2@175.442,73.715 ; P7.2@176.149,73.008 178.394,73.008 ; P7.2@176.892,72.339 cw(c178.394,70.987) 178.394,73.008 ; P7.2@176.892,73.677 ccw(c178.394,75.029) 178.394,73.008
  Bottom Layer w1.5: v2(27.94,63.119) v2(27.94,68.834) ; v2(112.141,33.274) 118.11,33.274 v2(118.364,33.02) v2(123.444,33.02) ; 117.509,33.274 cw(c117.509,32.165) v2@118.293,32.949
  Bottom Layer w2: 1.981,65.711 P3.2@4.191,65.711 6.656,65.711 9.779,68.834 ; P2.2@4.191,54.154 18.415,54.154 ; 4.191,64.211 ccw(c4.191,66.541) 5.838,64.893 ; P3.2@4.191,66.211 ccw(c4.191,73.369) 9.253,68.308 ; 13.716,68.834 10.414,72.136 ; PT2.1@16.917,126.817 ccw(c17.403,130.552) 20.066,127.889 ; 18.415,68.326 18.415,66.675 ; 20.447,68.834 20.447,68.707 18.415,66.675 ; v2(27.94,68.834) 16.891,68.834 ; 49.409,126.553 P10.6@49.409,123.952 P10.5@53.369,123.952 53.369,127.41 53.848,127.889 ; 78.261,126.53 P11.5@78.261,123.952 P11.6@74.301,123.952 74.301,126.232 72.644,127.889 20.066,127.889 ; v2@118.275,32.899 ccw(c119.011,33.897) 119.888,33.02 118.745,31.877 118.364,31.877 ; v2@118.339,33.168 cw(c118.764,30.627) 120.586,32.449 ; 119.761,33.02 119.761,33.274 118.364,34.671 ; 133.985,126.238 cw(c135.332,124.891) v3@135.717,126.757 ; v3@134.347,126.238 cw(c135.221,126.238) v3@134.603,126.856 ; 134.747,115.183 ccw(c138.551,115.183) 135.861,112.493 ccw(c137.018,113.65) 137.018,112.014 ; 134.747,125.184 cw(c136.817,125.184) v3@135.353,126.648 ; v3@134.747,125.838 ccw(c134.747,126.712) v3@135.365,126.094 ; v3@134.747,126.638 cw(c134.747,124.538) 136.232,126.023 ; 134.838,113.32 cw(c133.787,112.268) v2@135.274,112.268 ; v3@135.284,127.537 cw(c134.434,126.687) v3@135.636,126.687 ; v3@135.351,127.448 cw(c134.185,126.8) v3@135.128,125.857 ; 135.382,112.776 134.747,113.411 v3@134.747,125.857 ; v2@135.526,112.632 ccw(c136.144,113.25) v2@136.144,112.376 ; v3@135.534,125.978 cw(c135.804,127) v3@134.747,127 ; v2@135.89,112.014 146.939,112.014 155.702,112.014 159.131,108.585 159.131,79.121 163.576,74.676 163.576,53.721 ; v2@152.146,52.818 163.576,52.818 164.225,52.818 168.338,48.704 168.338,22.543 172.841,18.04 P13.2@176.022,18.04 178.263,18.04 ; 168.338,30.099 152.781,30.099 144.318,38.562 140.589,42.291 120.269,42.291 118.364,40.386 118.364,34.671 ; 9.779,68.834 16.891,68.834 ; 9.779,68.834 10.414,69.469 10.414,72.136 ; 10.414,72.136 10.414,88.519 10.414,100.965 10.414,102.77 8.663,104.521 6.858,104.521 4.191,107.188 P1.2@4.191,110.796 12.625,110.796 16.891,115.062 PT2.1@16.891,126.619 18.796,126.619 20.066,127.889 ; 16.891,68.834 16.891,68.199 18.415,66.675 ; 18.415,66.675 18.415,7.112 20.828,4.699 41.148,4.699 46.99,4.699 v2(47.117,4.572) 61.341,4.572 63.5,2.413 117.094,2.413 118.364,3.683 118.364,3.937 118.364,31.877 ; 118.364,31.877 v2(118.364,33.02) 118.364,34.671 ; v3@134.747,125.857 v3@135.128,125.857 ; v3@134.747,125.857 v3@134.747,127 ; v3@134.747,127 v3(135.001,127.254) 135.636,126.619 v3(135.636,126.365) v3@135.128,125.857 ; 134.747,125.341 cw(c136.463,125.341) 135.385,126.676 ccw(c136.463,125.341) 134.747,125.341
  other v2: 118.322,3.852 54.991,30.607